# Altium PCB water-meter.PcbDoc
Units mil, origin at the board's own origin, x right, y up, seen from the top; angles counter-clockwise.
Board outline 1795.28 x 2149.61 mil, 2 copper layers (Top Layer, Bottom Layer), stack 63.824 mil thick; 16 components, 13 nets, 89 pads, 16 vias.
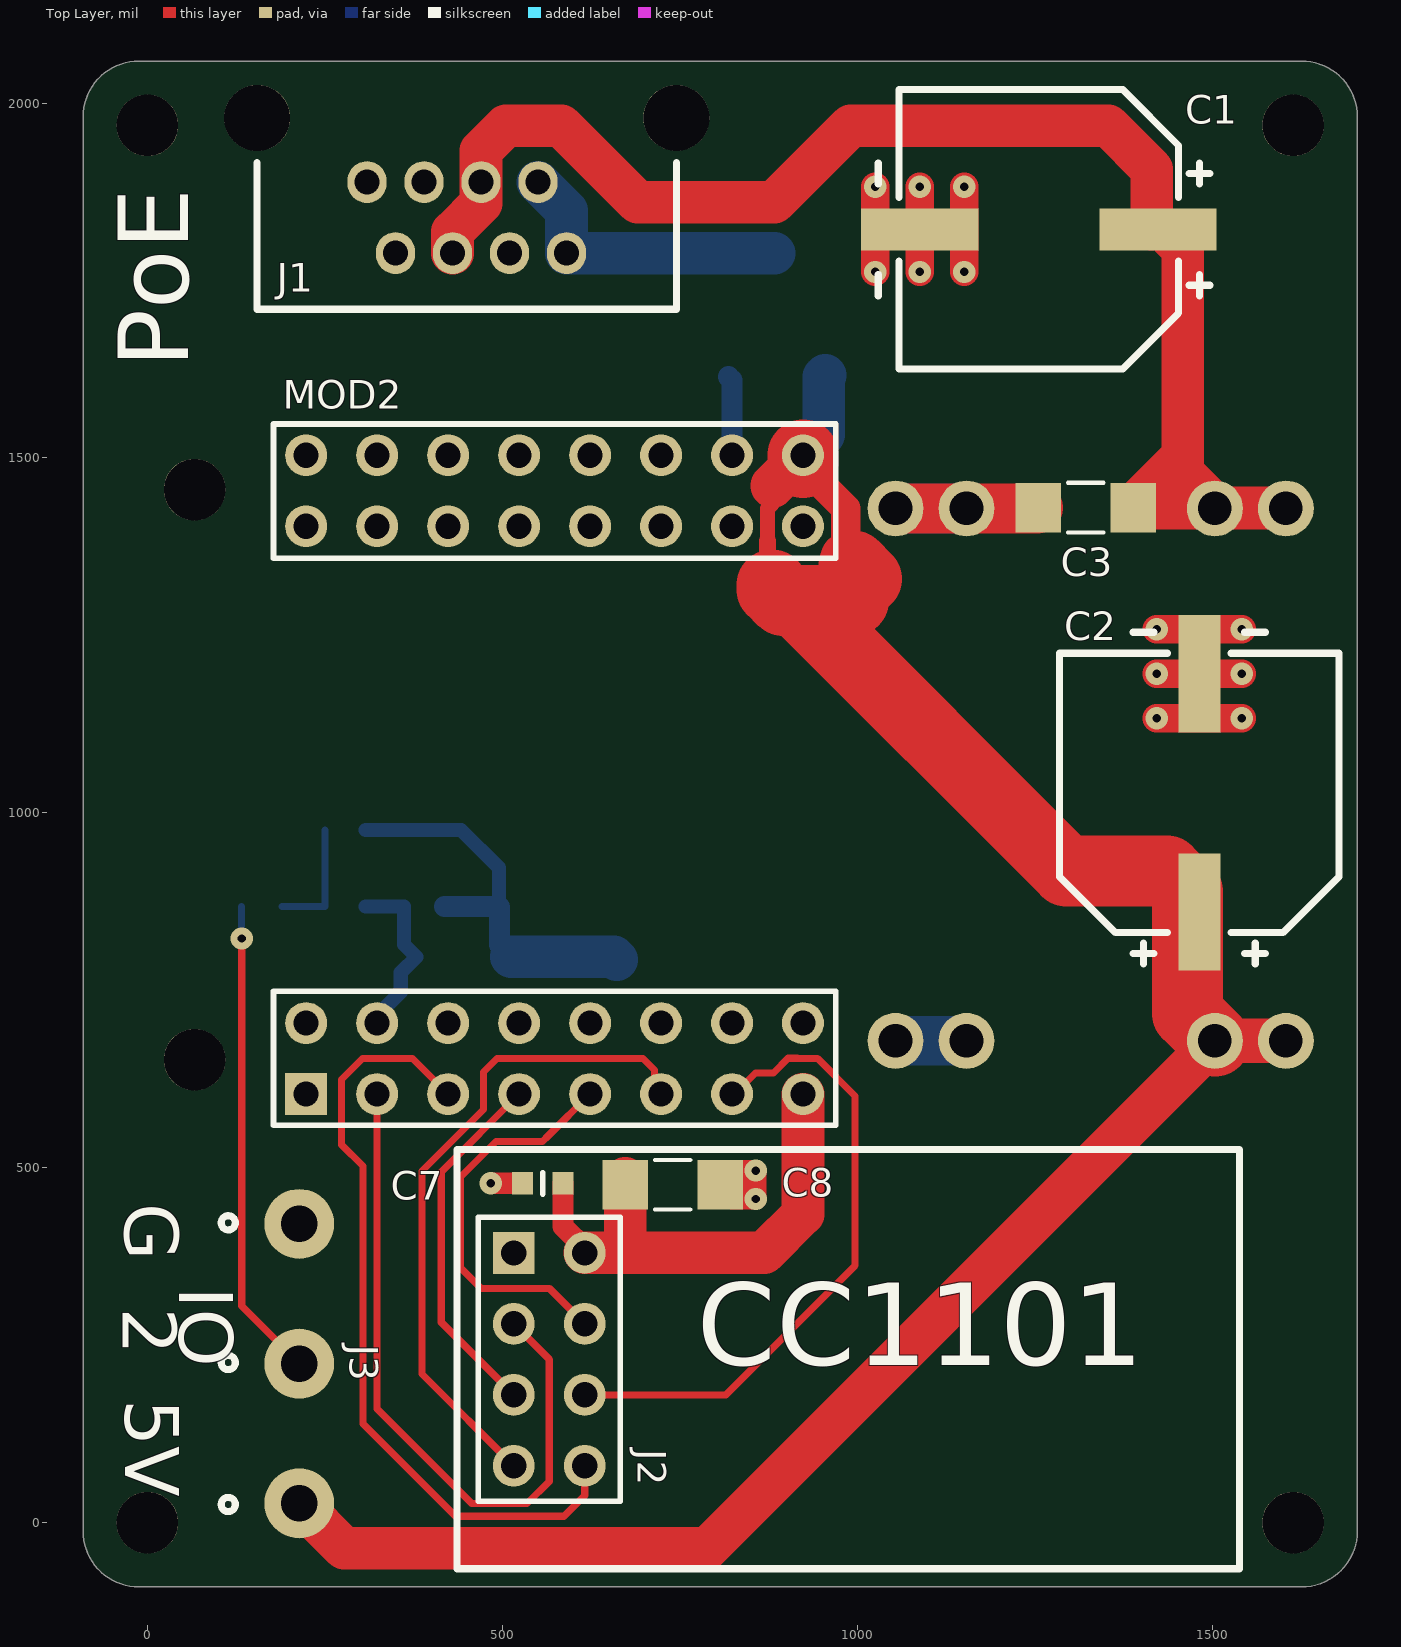
[diagram p0: Top Layer view]
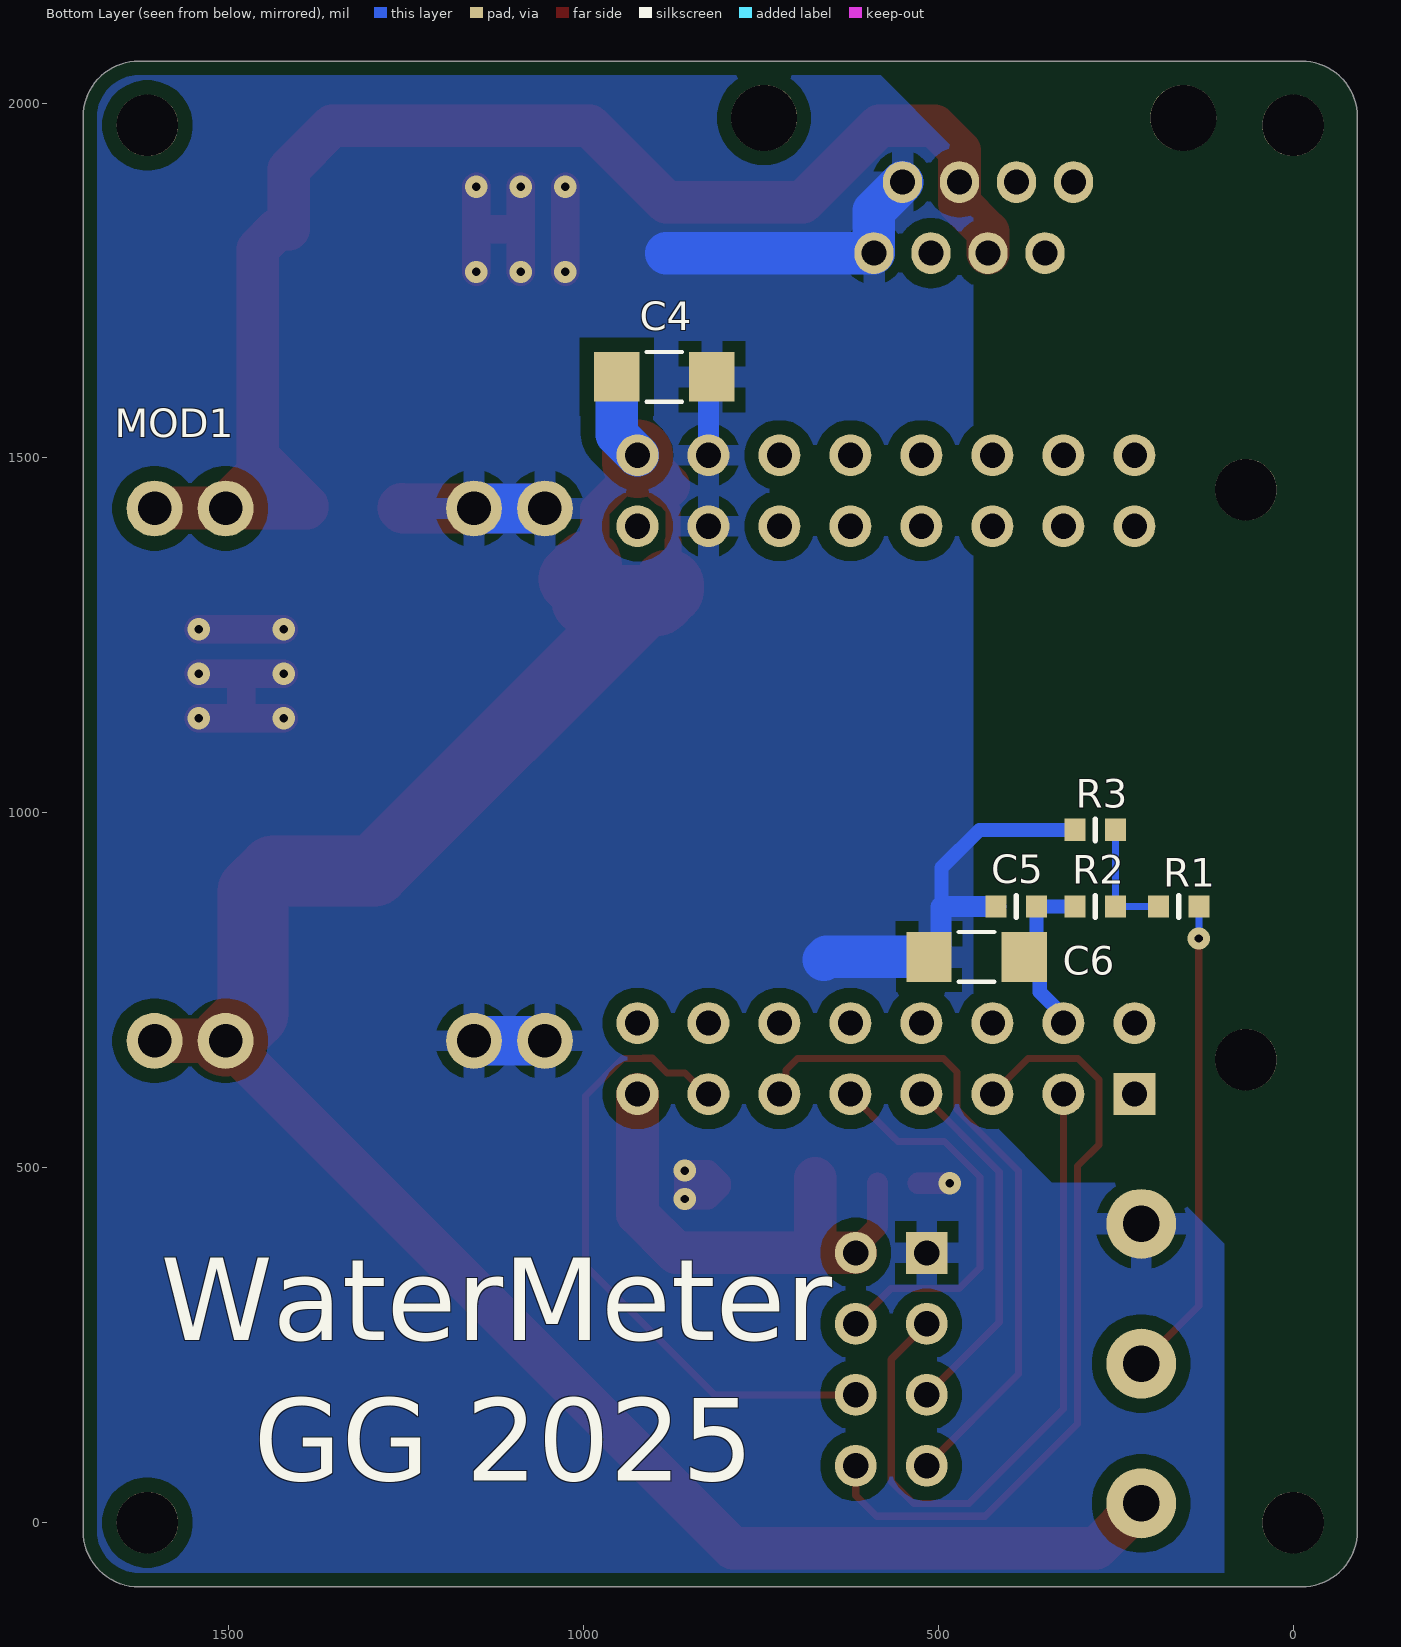
[diagram p1: Bottom Layer view, seen from below]

## Layer stack, top to bottom
Top Solder: solder mask 0.4, Solder Resist, Dk 3.5
Top Layer: signal copper 1.4
Dielectric 1: dielectric 61.0236, FR-4, Dk 4.8
Bottom Layer: signal copper 1.4
Bottom Solder: solder mask 0.4, Solder Resist, Dk 3.5

## Board outline
-90.55,-11.81 -90.55,1980.31 cw(c-11.81,1980.31) -11.81,2059.06 1625.98,2059.06 cw(c1625.98,1980.31) 1704.72,1980.31 1704.72,-11.81 cw(c1625.98,-11.81) 1625.98,-90.55 -11.81,-90.55 cw(c-11.81,-11.81)

## Design rules (kind name [scope] priority, off if disabled: settings)
BoardOutlineClearance [All] p1: gap=19.68 ignorepadtopadclearanceinfootprint=FALSE
Clearance Clearance_polygon [InPolygon] p1: gap=20 ignorepadtopadclearanceinfootprint=FALSE
Clearance [All] p2: gap=8 ignorepadtopadclearanceinfootprint=FALSE
ComponentClearance ComponentClearance_1 [HasFootprint('P_HEADER_1x8_2.54')] p1: gap=0 collisioncheckmode=3 verticalgap=0 showdistances=FALSE
ComponentClearance [All] p2: gap=10 collisioncheckmode=3 verticalgap=10 showdistances=FALSE
HoleSize [All] p1: absolutevalues=TRUE maxlimit=100 minlimit=11.81 maxpercent=80.000 minpercent=20.000
MinimumAnnularRing [All] p1: minimumring=8
MinimumSolderMaskSliver BQFN41 [HasFootprint('BQFN41_11x9')] p1: minsoldermaskwidth=0
MinimumSolderMaskSliver [All] p2: minsoldermaskwidth=1
PolygonConnect VIA [IsVia] p1: connectstyle=Direct reliefconductorwidth=10 reliefentries=4 polygonreliefangle="90 Angle" airgapwidth=10
PolygonConnect [All] p2: connectstyle=Relief reliefconductorwidth=30 reliefentries=4 polygonreliefangle="90 Angle" airgapwidth=15
RoutingVias [All] p1: holewidth=11.81 width=31.5 viastyle="Through Hole" minholewidth=11.81 minwidth=31.5 maxholewidth=11.81 maxwidth=31.5
SilkToSilkClearance [All] p1: silktosilkclearance=1
SilkToSolderMaskClearance [IsPad] p1: minsilkscreentomaskgap=1 clearancetoexposedcopper=TRUE
SolderMaskExpansion [All] p1: expansion=4 istentingtop=FALSE
SupplyNets "Schematic Supply Nets_3" [InNet('GND')] p1: voltage=0.000
SupplyNets "Schematic Supply Nets_2" [InNet('+5V')] p2: voltage=0.000
SupplyNets "Schematic Supply Nets_1" [InNet('+3.3V')] p3: voltage=0.000
SupplyNets "Schematic Supply Nets" [InNet('+12V')] p4: voltage=0.000
Width [All] p1: maxlimit=100 minlimit=7 preferedwidth=10 minimp=50.000000 maximp=50.000000 favimp=50.000000
25 further rules are at their usual default settings.

## Components (designator, comment, footprint, x,y, rotation, side; value= is the part's Value field where it differs from the comment)
C1 "Electrolytic Capacitor" CE_D_10x10_SMD 1256,1822 r180 top value=100uF
C2 "Electrolytic Capacitor" CE_D_10x10_SMD 1482,1028 r90 top value=100uF
C3 "Ceramic X7R" C_1206_3216 1322,1430 r180 top value=100nF
C4 "Ceramic X7R" C_1206_3216 885.83,1614.17 r180 bottom value=100nF
C5 "Ceramic X7R" C_0603_1608 390,868 r0 bottom value=100nF
C6 "Ceramic X7R" C_1206_3216 446,797 r0 bottom value=100nF
C7 "Ceramic X7R" C_0603_1608 557,478 r180 top value=100nF
C8 "Ceramic X7R" C_1206_3216 740,476 r0 top value=100nF
J1 "Modular Connector, Modular Jack, 1 x 1 (Port), 8P8C, Cat3" J_RJ45_MJ3225-88-0 450,1933.78 r180 top value=MJ3225-88-0
J2 "Goldpin female straight" J_HEADER_2x4_2.54_VERTICAL 566.19,230.1 r270 top value=DS1023-2*4S21
J3 "ARK3" J_ARK3 214,224 r90 top value=DG301-5.0-03P-12-18A(H)
MOD1 "Low cost, Aliexpress-ready DC-DC buck converter using MP1584" MOD_BUCK_MP1584 1329,1053.78 r270 bottom locked value=-
MOD2 "ESP32-S2FN4R2 mini wifi board" MOD_ESP32_WEMOS_S2_MINI 590,1053.78 r90 top locked value=MOD_ESP32_WEMOS_S2_MINI
R1 "Resistor" R_0603_1608 161,868 r180 bottom value=10k
R2 "Resistor" R_0603_1608 279,868 r180 bottom value=10k
R3 "Resistor" R_0603_1608 279,976 r180 bottom value=10k

## Footprints (in the part's own frame and the unit in brackets; to place one, negate y for a bottom-side part, rotate by r counter-clockwise, add the part's x,y. Pads: shape width x height; smd on the part's side, far side on the other; paste and mask are expansions set on the pad)
C_0603_1608 [mm]
  rect 0.75x0.8 smd: 1(-0.725,0) 2(0.725,0)
  silkscreen extent 0,-0.38 0,0.38, body extent -0.85,-0.45 0.85,0.45, height 0.89
C_1206_3216 [mil]
  rect 64x70 smd: 1(-67,0) 2(67,0)
  silkscreen extent -25,-35 25,35, body extent -67,-35 67,35, height 39
CE_D_10x10_SMD [mm]
  rect 4.2x1.5 smd: 1(-4.262,0) 2(4.262,0)
  silkscreen extent -6.13,-5 5.75,5, body extent -5.8,-5.15 5.8,5.15, height 10.21
J_ARK3 [mm]
  round 2.5 hole 1.3: 1(-5,0) 2(0,0) 3(5,0)
  silkscreen extent -5.29,2.29 5.29,2.79, body extent -7.46,-4.6 8.14,3, height 10.05
J_HEADER_2x4_2.54_VERTICAL [mm] "Connector; Header; 8 Position; Female"
  rect 1.5x1.5 hole 0.9: 1(-3.81,-1.27)
  round 1.5 hole 0.9: 2(-3.81,1.27) 3(-1.27,-1.27) 4(-1.27,1.27) 5(1.27,-1.27) 6(1.27,1.27) 7(3.81,-1.27) 8(3.81,1.27)
  silkscreen extent -5.08,-2.54 5.08,2.54, body extent -5.08,-2.52 5.08,2.52, height 8.4
J_RJ45_MJ3225-88-0 [mm]
  oval 1.4x1.5 hole 0.9: 1(3.57,1.15) 2(2.55,3.69) 3(1.53,1.15) 4(0.51,3.69) 5(-0.51,1.15) 6(-1.53,3.69) 7(-2.55,1.15) 8(-3.57,3.69)
  round 2.36 hole 2.36 unplated: DNC(-7.5,-1.15) DNC(7.5,-1.15)
  silkscreen extent -7.5,0.45 7.5,5.7, body extent -8.75,-7.15 8.75,5.7, height 14.5
MOD_BUCK_MP1584 [mm] "Normal"
  round 2 hole 1.2: 1(-9.525,-6.985) 2(-9.525,-4.445) 3(-9.525,4.445) 4(-9.525,6.985) 5(9.525,-6.985) 6(9.525,-4.445) 7(9.525,4.445) 8(9.525,6.985)
  body extent -11.25,-8.65 11.25,8.65, height 6.69
MOD_ESP32_WEMOS_S2_MINI [mm]
  rect 1.5x1.5 hole 0.9: 1(-11.43,9.305)
  round 1.5 hole 0.9: 2(-8.89,9.305) 3(-11.43,6.765) 4(-8.89,6.765) 5(-11.43,4.225) 6(-8.89,4.225) 7(-11.43,1.685) 8(-8.89,1.685) 9(-11.43,-0.855) 10(-8.89,-0.855) 11(-11.43,-3.395) 12(-8.89,-3.395) 13(-11.43,-5.935) 14(-8.89,-5.935) 15(-11.43,-8.475) 16(-8.89,-8.475) 17(8.89,9.305) 18(11.43,9.305) 19(8.89,6.765) 20(11.43,6.765) 21(8.89,4.225) 22(11.43,4.225) 23(8.89,1.685) 24(11.43,1.685) 25(8.89,-0.855) 26(11.43,-0.855) 27(8.89,-3.395) 28(11.43,-3.395) 29(8.89,-5.935) 30(11.43,-5.935) 31(8.89,-8.475) 32(11.43,-8.475)
  round 2.2 hole 2.2 unplated: DNC(-10.2,13.297) DNC(10.2,13.297)
  silkscreen extent -12.55,-9.64 12.55,10.47, body extent -12.74,-17.16 13.68,17.15, height 15.07
R_0603_1608 [mm]
  rect 0.75x0.8 smd: 1(-0.725,0) 2(0.725,0)
  silkscreen extent 0,-0.38 0,0.38, body extent -0.87,-0.47 0.88,0.48, height 0.54

## Part data
C1 C2: library part CE_100uF_50V_AL2O3_10x10_20, "Polarized Capacitor", Dielectric=AL2O3, Manufacturer=Nichicon, Manufacturer Part Number=UUX1H101MNL1GS, Tolerance (%)=20, Voltage=50V, HelpURL=https://datasheet.octopart.com/UUX1H101MNL1GS-Nichicon-datasheet-62047998.pdf, Part Number=CE_100uF_50V_AL2O3_10x10_20, SCH_Footprint=10x10, Supplier 1=TME, Supplier 2="RS Components", Supplier 3=Farnell, Supplier 4=Mouser, Supplier 5=Digi-Key, Supplier 6=LCSC, Supplier Part Number 1=UUX1H101MNL1GS, Supplier Part Number 2=7393107, Supplier Part Number 3=2841943, Supplier Part Number 4=647-UUX1H101MNL1GS, Supplier Part Number 5=493-6269-1-ND
C3 C4 C6 C8: library part C_100nF_100V_X7R_1206_10, "Capacitor", Dielectric=X7R, Manufacturer=Samsung, Manufacturer Part Number=CL31B104KCFNNNE, Tolerance (%)=10, Voltage=100V, HelpURL=https://datasheet.octopart.com/CL31B104KCFNNNE-Samsung-datasheet-8331463.pdf, Part Number=C_100nF_100V_X7R_1206_10, SCH_Footprint=1206, Supplier 1=TME, Supplier 2="RS Components", Supplier 3=Farnell, Supplier 4=Mouser, Supplier 5=Digi-Key, Supplier 6=LCSC
C5 C7: library part C_100nF_50V_X7R_0603_10_AECQ1, "Capacitor", Dielectric=X7R, Manufacturer=Murata, Manufacturer Part Number=GCM188R71H104KA57D, Tolerance (%)=10, Voltage=50V, AEC-Q=1, HelpURL=https://www.murata.com/products/productdetail?partno=GCM188R71H104KA57%23, Part Number=C_100nF_50V_X7R_0603_10_AECQ1, SCH_Footprint=0603, Supplier 1=TME, Supplier 2="RS Components", Supplier 3=Farnell, Supplier 4=Mouser, Supplier 5=Digi-Key, Supplier 6=LCSC, Supplier Part Number 1=GCM188R71H104KA57D, Supplier Part Number 3=4360223, Supplier Part Number 4=81-GCM188R71H104KA7D, Supplier Part Number 5=490-4779-1-ND, Supplier Part Number 6=C85864
J1: library part J_RJ45_MJ3225-88-0, Manufacturer="Global Connector Technology", Manufacturer Part Number=MJ3225-88-0, HelpURL=https://www.farnell.com/cad/3781788.pdf, Part Number=J_RJ45_MJ3225-88-0, SCH_Footprint=J_RJ45, Supplier 1=TME, Supplier 2="RS Components", Supplier 3=Farnell, Supplier 4=Mouser, Supplier 5=Digi-Key, Supplier 6=LCSC, Supplier 7=Newark, Supplier Part Number 3=4071641, Supplier Part Number 7=61AK4308
J2: library part J_HEADER_2x4_2.54_VERTICAL, "Pin Header", Manufacturer=Connfly, Manufacturer Part Number=DS1023-2*4S21, Supplier Part Number 1=ZL262-8DG, HelpURL=https://datasheet.octopart.com/DS1023-2%2A14S21-Connfly-datasheet-81850794.pdf, Part Number=J_HEADER_2x4_2.54_VERTICAL, SCH_Footprint="2x4 2.54mm Vertical", Supplier 1=TME, Supplier 2="RS Components", Supplier 3=Farnell, Supplier 4=Mouser, Supplier 5=Digi-Key, Supplier 6=LCSC
J3: library part J_TB-5.0-P-3P, "ARK Screw terminal, 3-Pin", Manufacturer="DEGSON ELECTRONICS", Manufacturer Part Number=DG301-5.0-03P-12-18A(H), Supplier Part Number 1=DG301-5.0-3/6B, HelpURL=https://datasheet.octopart.com/DG301-5.0-03P-12-18A%28H%29-Degson-datasheet-17801202.pdf, Part Number=J_TB-5.0-P-3P, SCH_Footprint=ARK3, Supplier 1=TME, Supplier 2="RS Components", Supplier 3=Farnell, Supplier 4=Mouser, Supplier 5=Digi-Key, Supplier 6=LCSC
MOD1: library part MOD_BUCK_MP1584, Manufacturer=-, HelpURL=https://pl.aliexpress.com/item/32341006065.html, Manufacturer Part Number=-, Part Number=MOD_BUCK_MP1584, SCH_Footprint=17.3x22.5mm, Supplier 1=TME, Supplier 2="RS Components", Supplier 3=Farnell, Supplier 4=Mouser, Supplier 5=Digi-Key, Supplier 6=LCSC, Supplier 7=-, Supplier Part Number 7=-
MOD2: library part MOD_ESP32_WEMOS_S2_MINI, Manufacturer=Wemos, HelpURL=https://www.wemos.cc/en/latest/s2/s2_mini.html, Manufacturer Part Number=MOD_ESP32_WEMOS_S2_MINI, Part Number=MOD_ESP32_WEMOS_S2_MINI, SCH_Footprint=25.4x34.3mm, Supplier 1=TME, Supplier 2="RS Components", Supplier 3=Farnell, Supplier 4=Mouser, Supplier 5=Digi-Key, Supplier 6=LCSC, Supplier 7=Aliexpress, Supplier Part Number 7=https://pl.aliexpress.com/item/1005003145192016.html
R1 R2 R3: library part R_10k_0603_1_AECQ0, Manufacturer=Panasonic, Manufacturer Part Number=ERJ-3EKF1002V, Power=100mW, Supplier Part Number 1=ERJ3EKF1002V, Tolerance=1%, Voltage=75V, AEC-Q=0, HelpURL=https://industrial.panasonic.com/cdbs/www-data/pdf/RDA0000/AOA0000C304.pdf, Part Number=R_10k_0603_1_AECQ0, SCH_Footprint=0603, Supplier 1=TME, Supplier 2="RS Components", Supplier 3=Farnell, Supplier 4=Mouser, Supplier 5=Digi-Key, Supplier 6=LCSC, Supplier Part Number 3=2303192, Supplier Part Number 4=667-ERJ-3EKF1002V, Supplier Part Number 5=P10.0KHCT-ND, Supplier Part Number 6=C191124

## Free pads (board coordinates)
  round 86.61 hole 86.61 unplated: ""(0,0) ""(0,1968.5) ""(1614.17,0) ""(1614.17,1968.5)

## Via types
v1: diameter 31.5, hole 11.81, Top Layer to Bottom Layer, tented both sides, 16 vias

## Nets (pads, with @x,y where several pads share a name; then routed paths per layer and width w, separated by ;. In a path a pad name is that pad's centre, name@x,y a point inside that pad or via, vN(x,y) a via of type N, cw(c..) or ccw(c..) an arc to the next point about the centre after c; other vN are vias at no path point)
+3.3V: C7.1 C8.1 J2.2 MOD2.15 | length 718
  Top Layer w30: C7.1 585.54,417.25 616.19,386.6 J2.2
  Top Layer w60: J2.2 665,380.1 ; C8.1@673,485 673,388.1 665,380.1 ; MOD2.15 923.66,434.66 869.1,380.1 665,380.1
+5V: C2.1 C4.1 J3.1 MOD1.5 MOD1.6 MOD2.32 | length 3366.9
  Top Layer w20.94: 873.66,1383.07 873.66,1403.78 ; 873.66,1424.49 873.66,1403.78 ; 880.73,1460.85 880.73,1435.85 873.66,1428.78 873.66,1403.78
  Top Layer w23.67: 873.66,1383.07 873.66,1327.17 880,1320.83
  Top Layer w41.44: MOD2.32@923.66,1493.31 923.66,1488.98 983.91,1428.73 983.91,1359.09
  Top Layer w60: J3.1@216,25.15 277.15,-36 789.22,-36 MOD1.6
  Top Layer w62.37: 880.73,1460.85 MOD2.32 ; MOD2.32@923.66,1474.49 MOD2.32@923.66,1493.31 ; MOD1.6 MOD1.5
  Top Layer w70.97: 983.91,1359.09 994.75,1348.25
  Top Layer w98.94: 994.75,1348.25 1013.59,1329.41
  Top Layer w100: 880,1320.83 880,1314.87 895.87,1299 994.75,1299 ; 914,1299 1295,918 1436.41,918 1465.58,888.83 1465.58,717.2 MOD1.6 ; MOD2.32@923.66,1493.31 MOD2.32
  Bottom Layer w60: MOD2.32 952.83,1532.95 C4.1 C4.1@954.83,1616.17
+12V: C1.1 C3.1 J1.4 J1.5 MOD1.1 MOD1.2 | length 2069.4
  Top Layer w60: J1.4 429.92,1818.43 470.08,1858.59 J1.5 470.08,1932.89 505.23,1968.04 582.96,1968.04 691,1860 883,1860 991.04,1968.04 1353.96,1968.04 1415.15,1906.85 1415.15,1822.47 1415.62,1822 C1.1 ; C1.1@1431,1822 1458.8,1794.2 1458.8,1692 1458.8,1502.8 ; MOD1.2 MOD1.2@1504,1429.39 ; MOD1.1 1603.39,1429.39 MOD1.2@1504,1429.39 ; 1458.8,1502.8 1458.8,1479.06 1504,1433.85 MOD1.2@1504,1429.39 ; 1458.8,1502.8 1389,1433 C3.1 1389.61,1429.39 MOD1.2@1504,1429.39
\CS: J2.4 MOD2.9 | length 566.9
  Top Layer w10: J2.4 566.19,330.1 469.9,330.1 441,359 441,487 491,537 556.88,537 564.88,545 MOD2.9
ADC: C5.1 C6.1 MOD2.4 R2.1 | length 248.3
  Bottom Layer w20: R2.1 C5.1 361.46,814.54 C6.1 357,775 357,747.69 323.66,714.35 MOD2.4
GDO0: J2.3 MOD2.3 | length 996.7
  Top Layer w10: MOD2.3 323.66,160.34 457,27 535,27 566.19,58.19 566.19,230.1 J2.3
GDO2: J2.8 MOD2.5 | length 1103.9
  Top Layer w10: MOD2.5 373.66,653.78 302.95,653.78 273.66,624.49 273.66,532.34 303.66,502.34 303.66,139.34 434,9 587,9 616.19,38.19 J2.8 J2.8@616.19,77.13
GND: C1.2 C2.2 C3.2 C4.2 C5.2 C6.2 C7.2 C8.2 J1.7 J1.8 J2.1 J3.3 MOD1.3 MOD1.4 MOD1.7 MOD1.8 MOD2.29 MOD2.30 R3.1 | length 3192.2
  Top Layer w30: v1(484,478) C7.2 ; C8.2 807,478.71 824,495.71 856.71,495.71 v1(857,496) 857,476 ; C8.2 807,473.29 824,456.29 856.71,456.29 v1(857,456) 857,476 ; C8.2 857,476
  Top Layer w40: v1(1025.41,1762) v1(1025.41,1882) ; v1(1088.2,1762) C1.2 ; v1(1088.2,1882) C1.2 ; v1(1151,1762) C1.2@1151,1822 ; v1(1151,1882) C1.2@1151,1822 ; v1(1422,1133) C2.2@1482,1133 ; v1(1422,1195.8) C2.2 ; v1(1422,1258.59) v1(1542,1258.59) ; v1(1542,1133) C2.2@1482,1133 ; v1(1542,1195.8) C2.2 ; v1(1025.41,1882) 1025.41,1822 v1(1025.41,1882) ; C1.2 C1.2@1151,1822 ; C2.2@1482,1133 C2.2 ; C2.2@1482,1258.59 v1(1542,1258.59) ; C2.2@1482,1258.59 v1(1542,1258.59) ; C2.2@1482,1258.59 v1(1542,1258.59) ; C2.2@1482,1258.59 v1(1542,1258.59) ; C2.2@1482,1258.59 v1(1542,1258.59) ; C2.2@1482,1258.59 v1(1542,1258.59) ; C2.2@1482,1258.59 v1(1542,1258.59) ; C2.2@1482,1258.59 v1(1542,1258.59)
  Top Layer w70: MOD1.4 MOD1.3 1253.78,1428.78 C3.2
  Bottom Layer w20: R3.1 442,976 495.43,922.57 495.43,868
  Bottom Layer w30: C5.2 495.43,868 496,867.43 496,814 C6.2 ; C4.2 823.66,1609.34 MOD2.30
  Bottom Layer w60: C6.2 657,797 661,793 ; J1.7 590.55,1848.35 J1.8 883,1788.51
  Bottom Layer w70: MOD1.8 MOD1.7 ; MOD1.4 MOD1.3
MISO: J2.7 MOD2.11 | length 937
  Top Layer w10: J2.7 387,209.3 387,495.4 473.66,582.06 473.66,634.66 492.78,653.78 698.22,653.78 714.28,637.72 714.28,613.17 MOD2.11
MOSI: J2.6 MOD2.13 | length 911.5
  Top Layer w10: J2.6 815.1,180.1 997,362 997,601.15 944.37,653.78 916,653.78 915.59,654.19 902.54,654.19 882.02,633.68 856.73,633.68 826.83,603.78 MOD2.13
NetJ3_2: J3.2 R1.2 | length 677.8
  Top Layer w10: v1(133,823) 133,305 J3.2
  Bottom Layer w10: R1.2 132.73,867.73 132.73,823.27 v1(133,823)
NetR1_1: R1.1 R2.2 R3.2 | length 168.9
  Bottom Layer w10: R1.1 R2.2 R3.2
SCK: J2.5 MOD2.7 | length 511.4
  Top Layer w10: J2.5 414,282.3 414,494.12 MOD2.7
pads on no net: J1.1 J1.2 J1.3 J1.6 J1.DNC MOD2.1 MOD2.2 MOD2.6 MOD2.8 MOD2.10 MOD2.12 MOD2.14 MOD2.16 MOD2.17 MOD2.18 MOD2.19 MOD2.20 MOD2.21 MOD2.22 MOD2.23 MOD2.24 MOD2.25 MOD2.26 MOD2.27 MOD2.28 MOD2.31 MOD2.DNC

## Polygon pours and split planes (outlines as drawn)
GND on Bottom Layer "GND_L02_P000" (solid, pour order 0): 451,819 451,590 340,479 183,479 97,393 97,-103 115,-121 125.76,-110.24 1862.2,-110.24 1862.2,157.48 2114.17,409.45 2059.06,464.57 2059.06,2145.67 803.15,2208.66 750.66,2208.66 451,1909

## Silkscreen, mask and mechanical layers (free items; w line width, h text height)
Top Overlay:
  lines w10: 436.06,-64.91 1538.42,-64.91 1538.42,525.64 436.06,525.64 436.06,-64.91
  text "PoE" at 57.68,1627.36 h100 r90
  text "G" at -56.87,449.68 h130 r270
  text "IO" at 19.76,332 h130 r270
  text "2" at -59.88,303 h130 r270
  text "CC1101" at 774,183.78 h200
  text "5V" at -56.33,174 h130 r270
Bottom Overlay:
  text "WaterMeter" at 1595,218.75 h200
  text "GG 2025" at 1464.11,20.81 h200
Mechanical 1:
  the board outline again, w10
Mechanical 13:
  lines w5: 95.67,1709.37 95,1709.37 95,1608.78 804.33,1608.78 804.33,1709.37